# Altium PCB Pleiades_Frouf.PcbDoc (part 1 of 12) (continued)
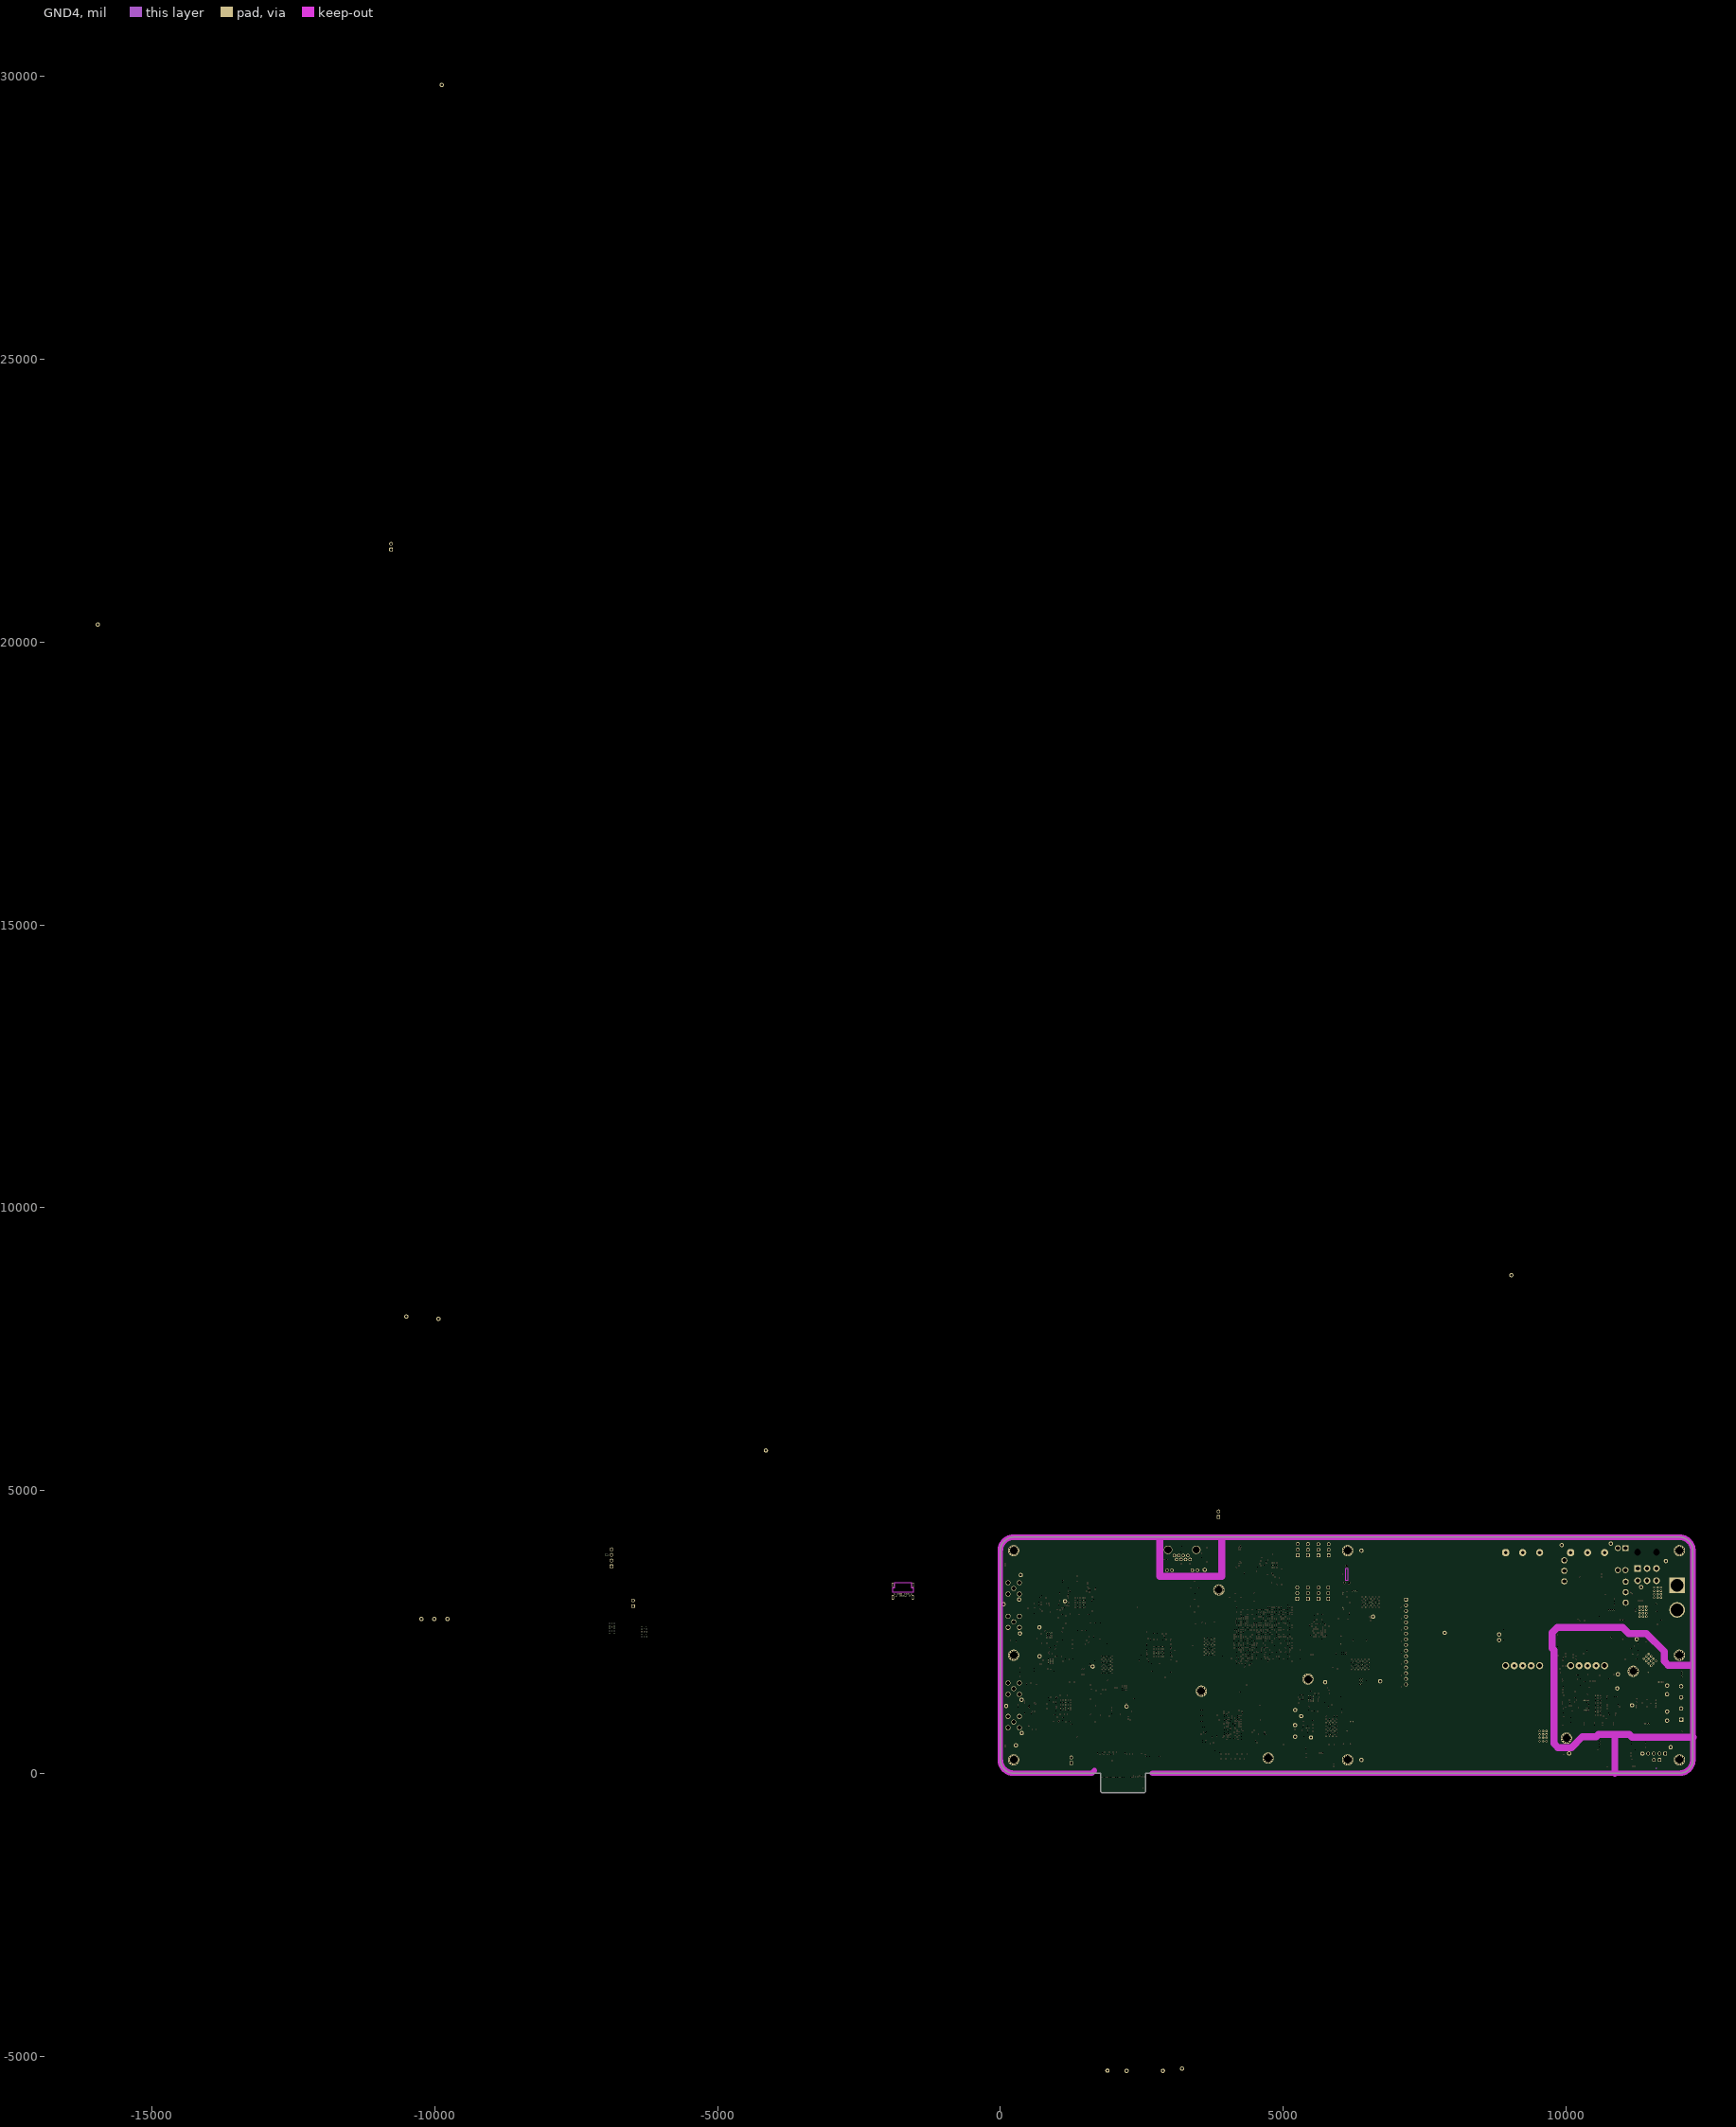
[diagram p8: GND4]
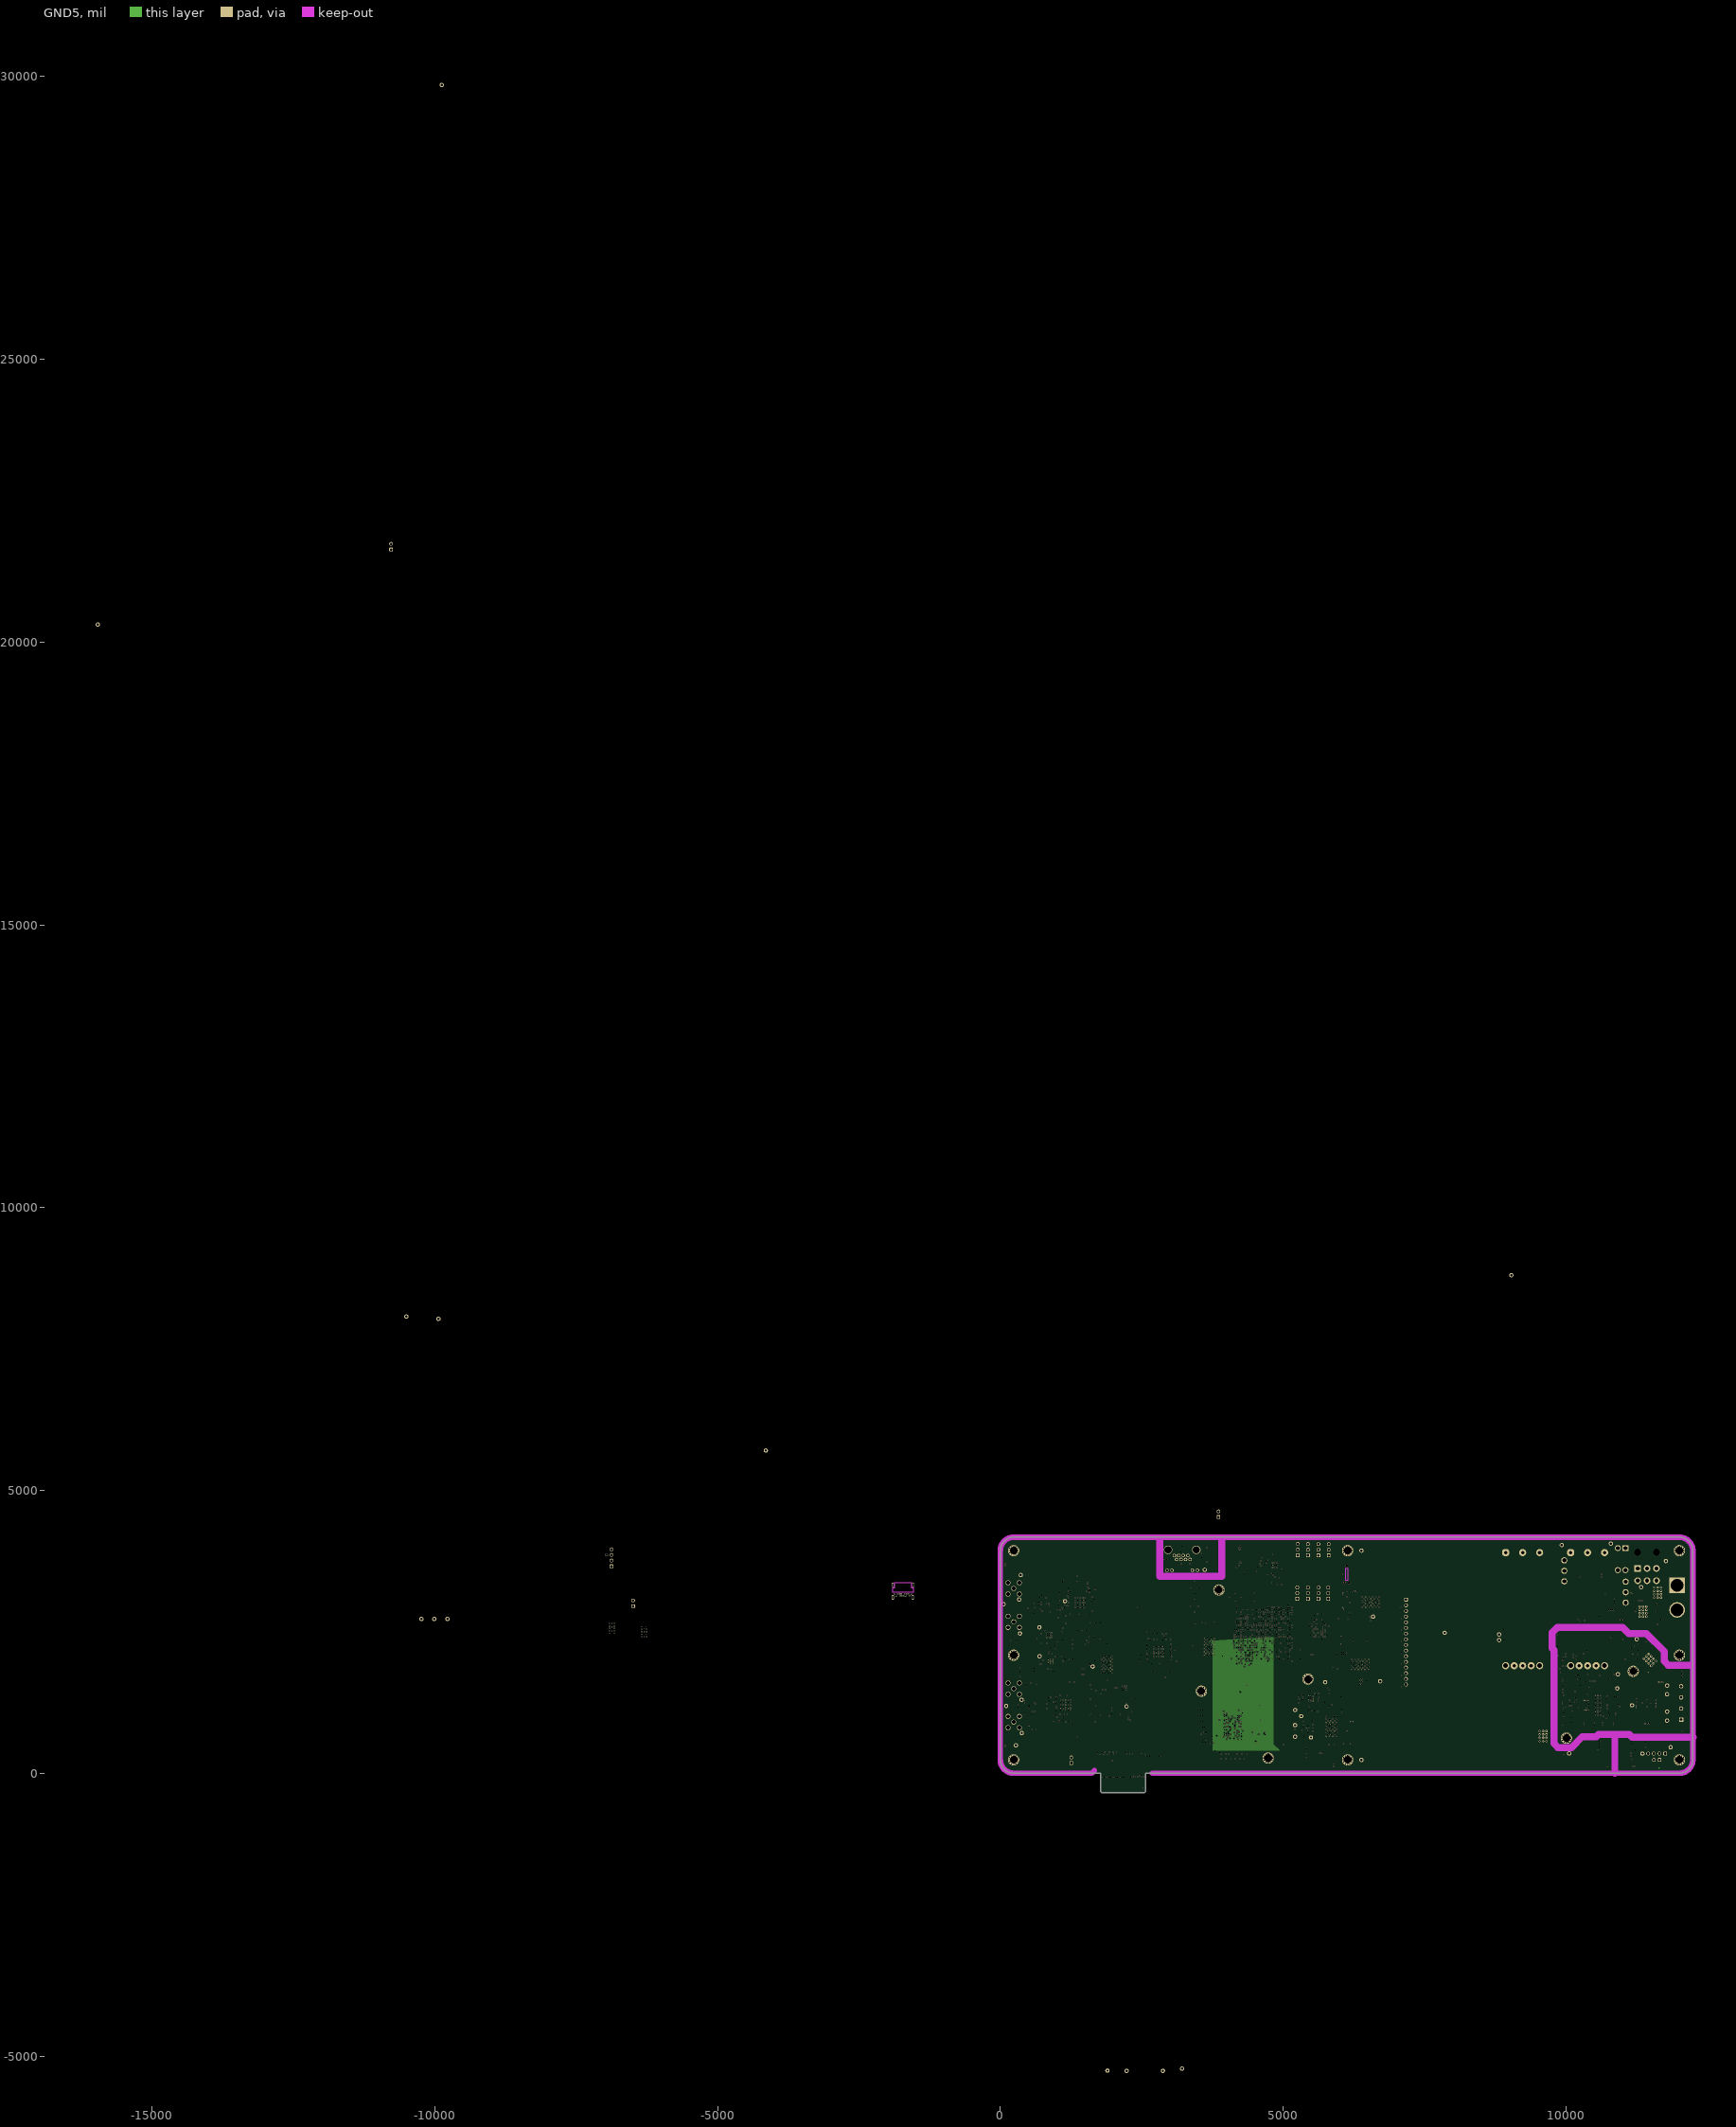
[diagram p9: GND5]
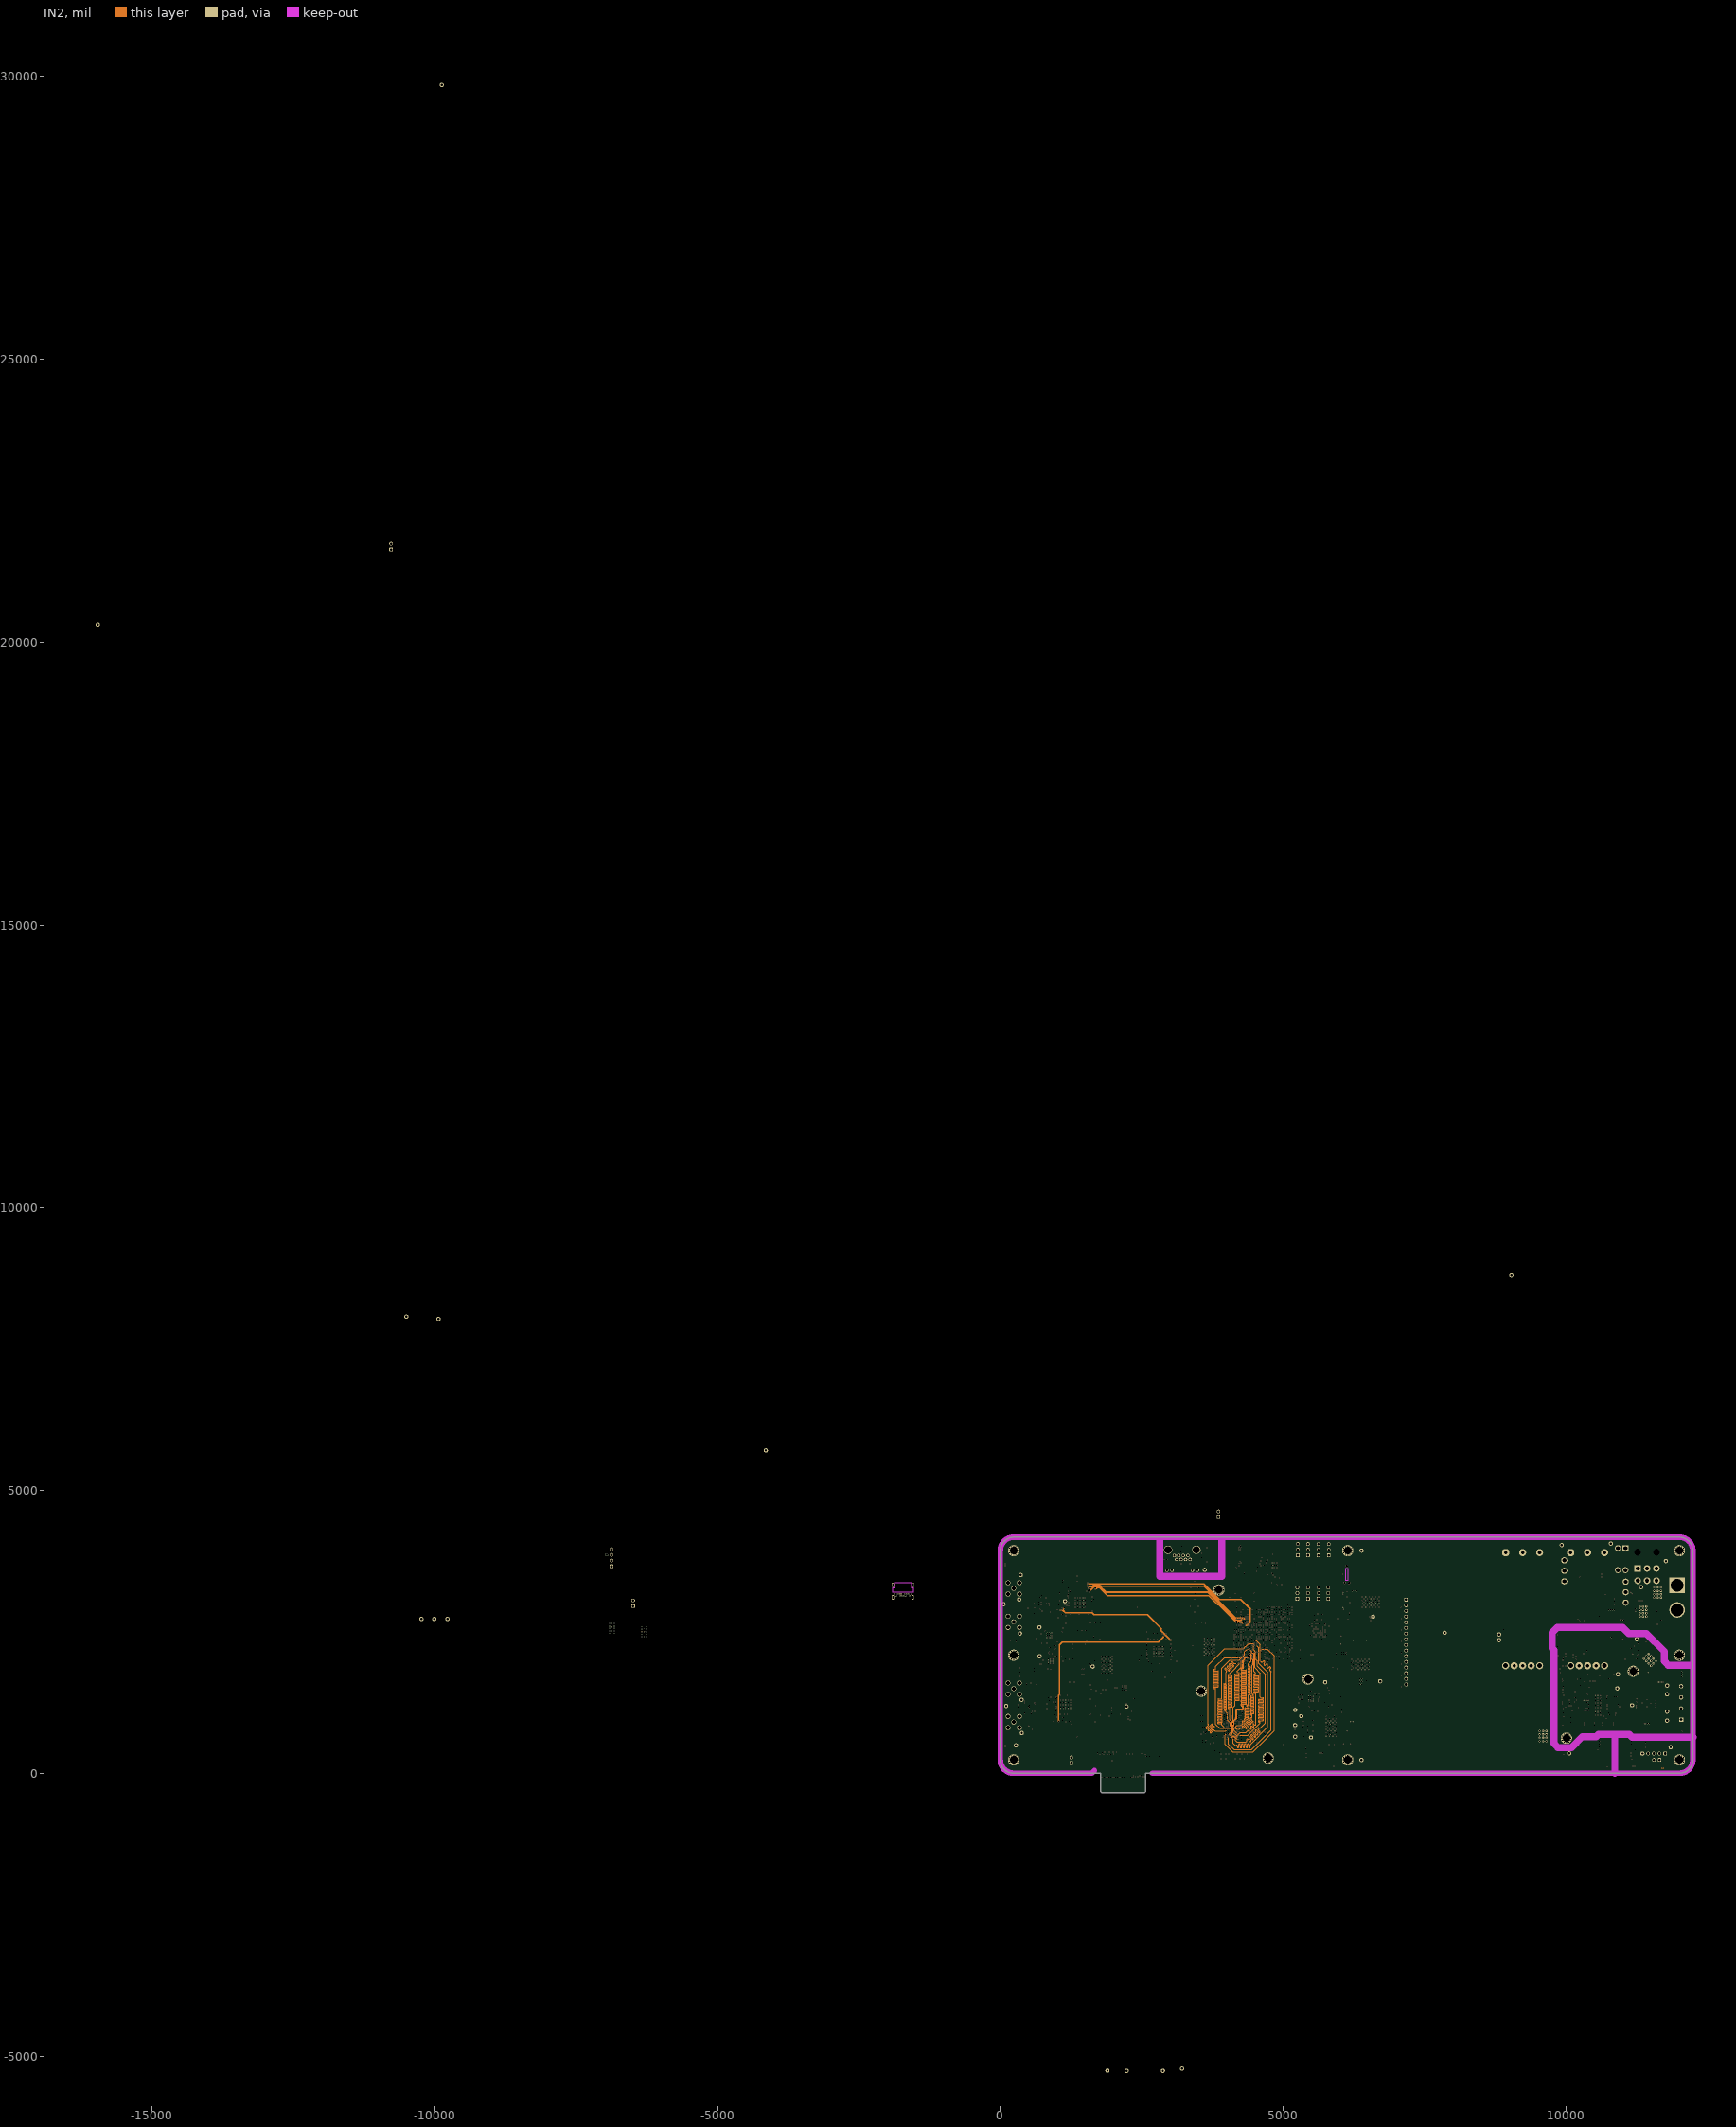
[diagram p10: IN2]